# Altium PCB STM32_Analog_Cape.PcbDoc (part 1 of 2)
Units mil, origin at the board's own origin, x right, y up, seen from the top; angles counter-clockwise.
Board outline 3400 x 2150 mil, 2 copper layers (Top Layer, Bottom Layer), stack 61.855 mil thick; 129 components, 97 nets, 610 pads, 307 vias.
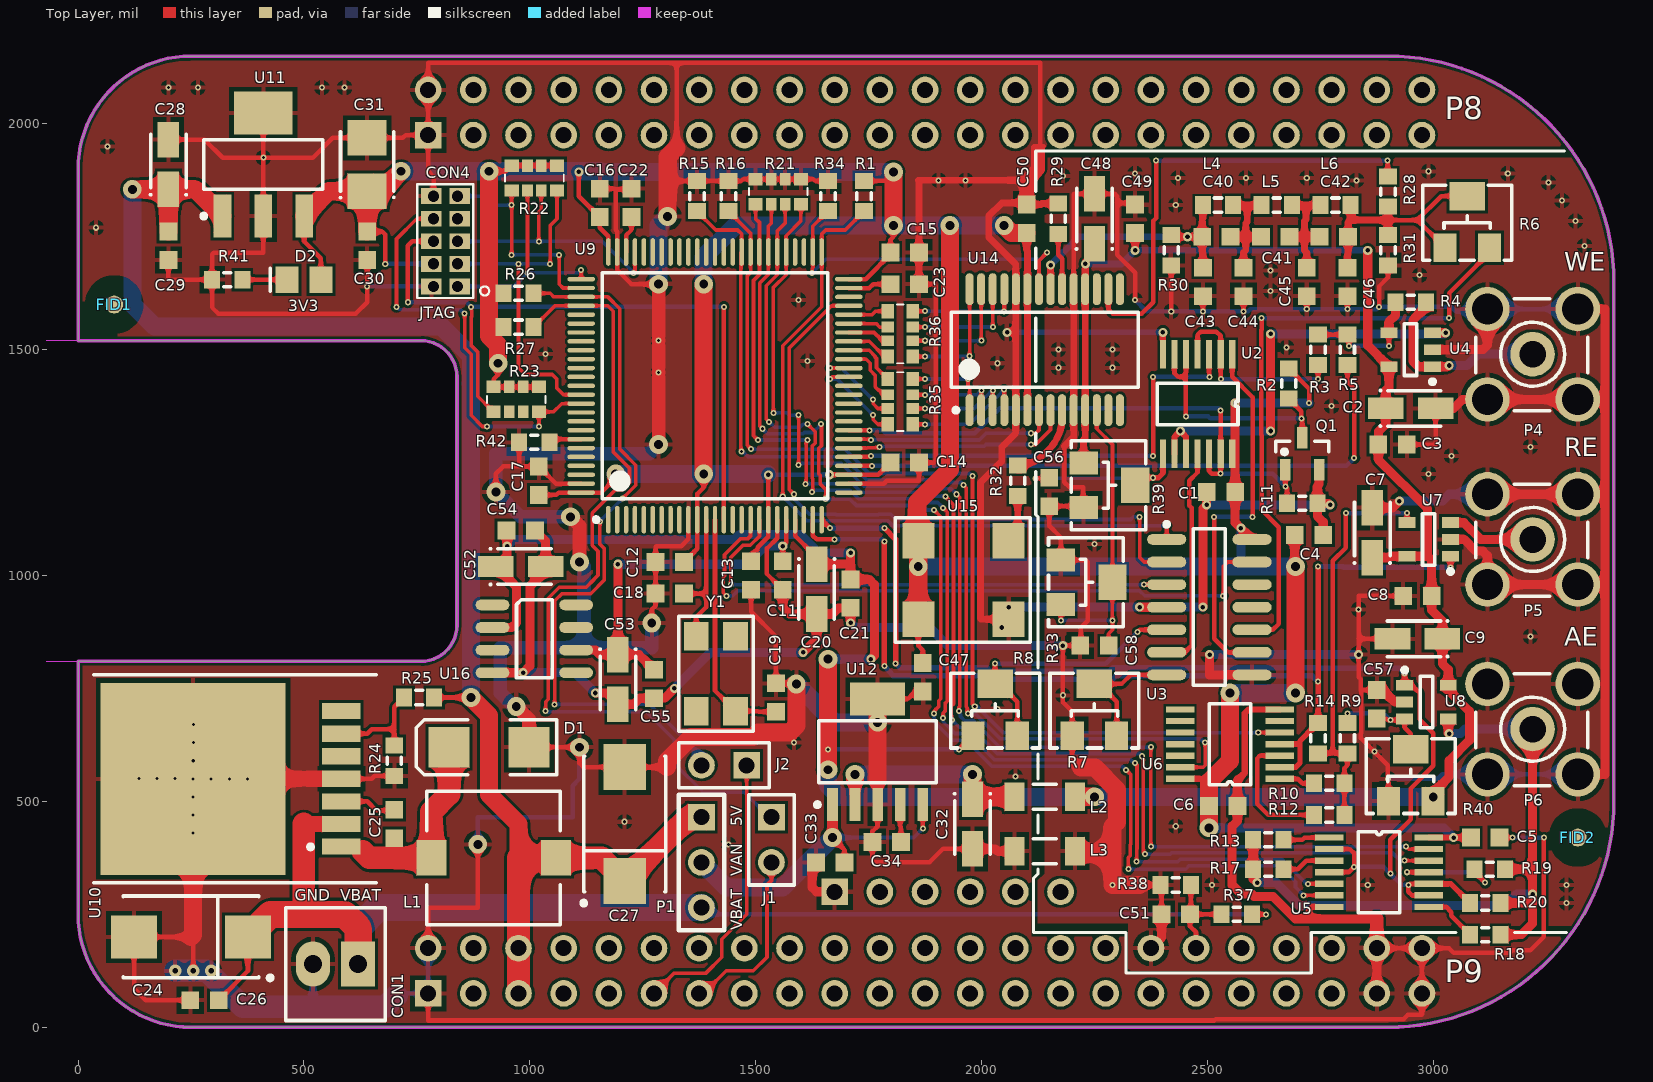
[diagram p0: Top Layer view]
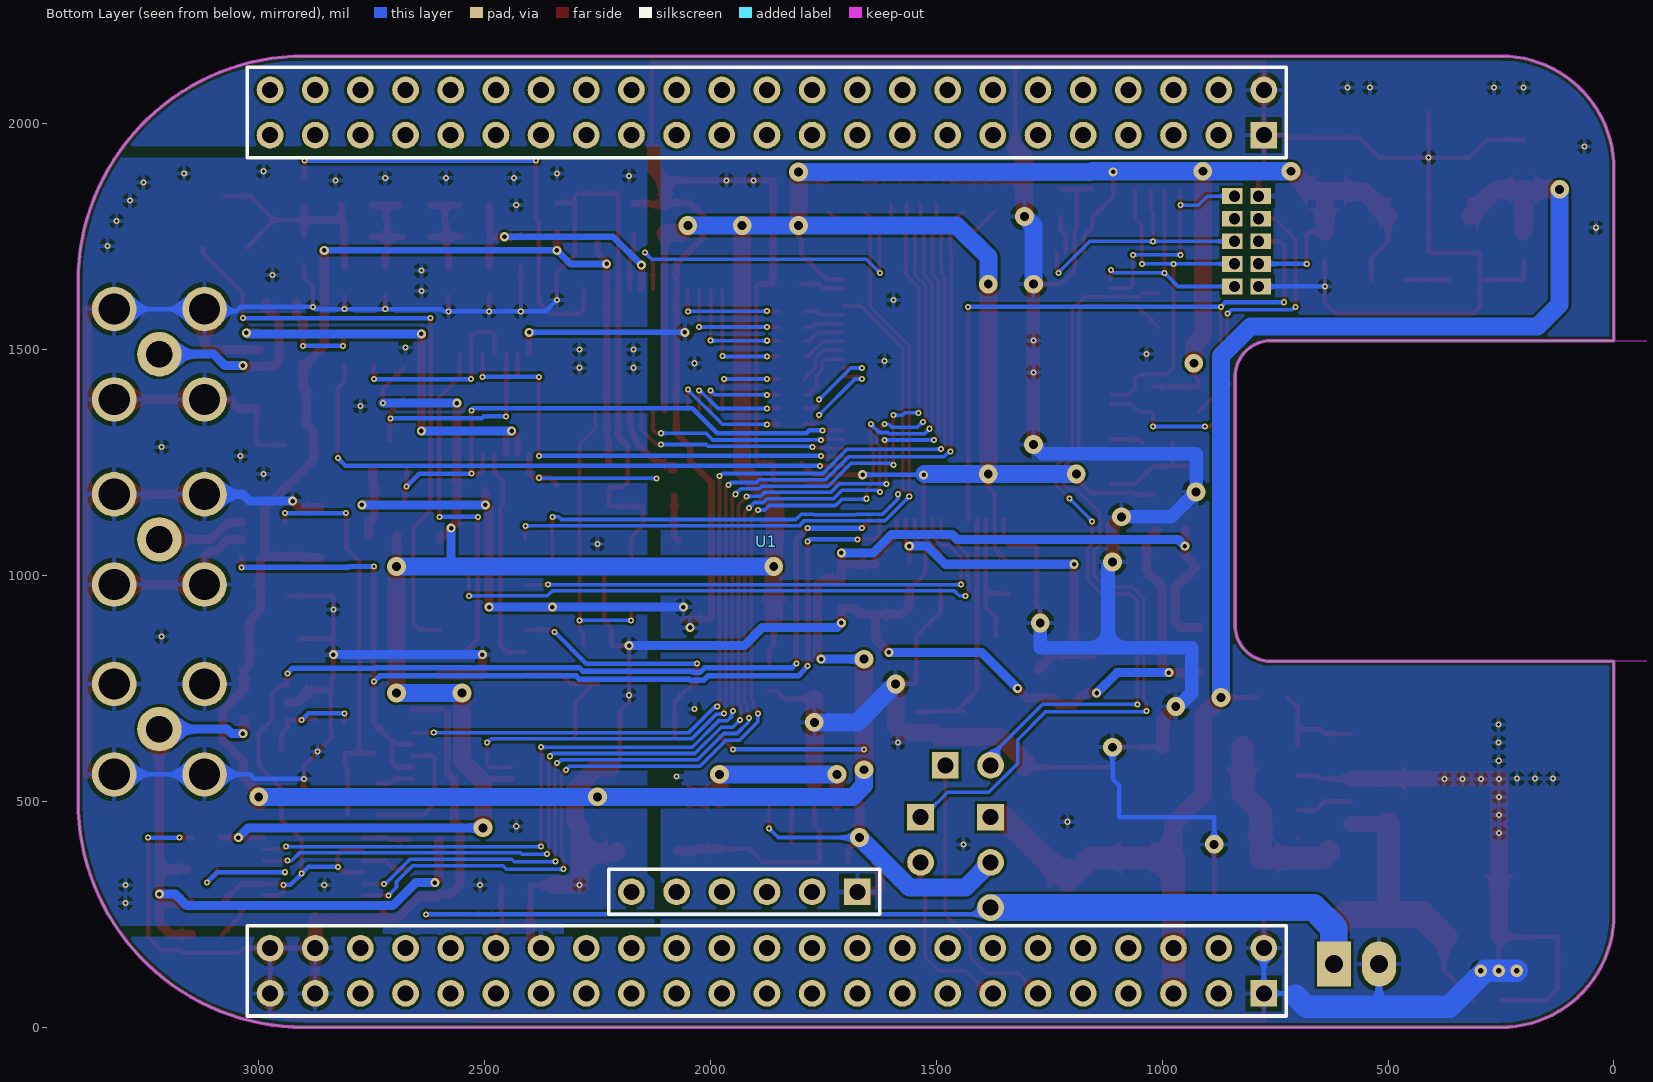
[diagram p1: Bottom Layer view, seen from below]

## Layer stack, top to bottom
Top Solder: solder mask 0.4, Solder Resist, Dk 3.5
Top Layer: signal copper 1.4
Dielectric 1: dielectric 59.0551, FR-4, Dk 4.8
Bottom Layer: signal copper 1.4
Bottom Solder: solder mask 0.4, Solder Resist, Dk 3.5

## Board outline
0,250 0,810 758.74,810 ccw(c758.74,890) 838.74,890 838.74,1440 ccw(c758.74,1440) 758.74,1520 0,1520 0,1900 cw(c250,1900) 250,2150 2900,2150 cw(c2900,1650) 3400,1650 3400,500 cw(c2900,500) 2900,0 250,0 cw(c250,250)

## Design rules (kind name [scope] priority, off if disabled: settings)
Clearance ShieldClearance_BOT [InNamedPolygon('GND_BOT') vs InNet('SHIELD')] p1: gap=30
Clearance ShieldClearance_TOP [InNamedPolygon('GND_TOP') vs InNet('SHIELD')] p2: gap=30
Clearance [All] p3: gap=6
DiffPairsRouting DiffPair_100_2DiffPairsRouting [InDifferentialPairClass('DIFF100_2')] p1: maxlimit=10 minlimit=10 mostfreqgap=10 toplayer_minwidth=8 toplayer_maxwidth=15 toplayer_prefwidth=15 bottomlayer_minwidth=8 bottomlayer_maxwidth=15 bottomlayer_prefwidth=15 maxuncoupledlength=500
DiffPairsRouting DiffPair_100DiffPairsRouting [InDifferentialPairClass('DIFF100')] p2: maxlimit=10 minlimit=10 mostfreqgap=10 toplayer_minwidth=8 toplayer_maxwidth=15 toplayer_prefwidth=15 bottomlayer_minwidth=8 bottomlayer_maxwidth=15 bottomlayer_prefwidth=15 maxuncoupledlength=500
DiffPairsRouting [All] p3: maxlimit=10 minlimit=10 mostfreqgap=10 toplayer_minwidth=15 toplayer_maxwidth=15 toplayer_prefwidth=15 bottomlayer_minwidth=15 bottomlayer_maxwidth=15 bottomlayer_prefwidth=15 maxuncoupledlength=500
Height [All] p1: minheight=0 maxheight=1200 prefheight=500
HoleSize [All] p1: absolutevalues=TRUE maxlimit=200 minlimit=1 maxpercent=80.000 minpercent=20.000
MatchedLengths DiffPair_100_2MatchedLengths [InNetClass('DIFF100_A')] p1: tolerance=1000 checknetsindiffpair=TRUE checkdiffpairvsdiffpair=FALSE checkxsignals=FALSE checkothers=FALSE
MatchedLengths DiffPair_100MatchedLengths [InNetClass('DIFF100_B')] p2: tolerance=5 checknetsindiffpair=TRUE checkdiffpairvsdiffpair=FALSE checkxsignals=FALSE checkothers=FALSE
MinimumSolderMaskSliver [All] p1: minsoldermaskwidth=1
PasteMaskExpansion [InNet('230V_N')] p1: expansion=20
PlaneConnect ShieldConnect [InNet('SHIELD')] p1: planeconnectstyle=Relief reliefexpansion=20 reliefentries=4 reliefconductorwidth=10 reliefairgap=40
PlaneConnect [All] p2: planeconnectstyle=Relief reliefexpansion=20 reliefentries=4 reliefconductorwidth=10 reliefairgap=10
PolygonConnect [All] p1: connectstyle=Relief reliefconductorwidth=10 reliefentries=4 polygonreliefangle="90 Angle" airgapwidth=10
RoutingVias [All] p1: holewidth=5.91 width=11.81 viastyle="Through Hole" minholewidth=5.91 minwidth=11.81 maxholewidth=500 maxwidth=1000
SilkToSilkClearance [All] p1: silktosilkclearance=5
SilkToSolderMaskClearance SilkscreenOverComponentPads [IsPad] p1: minsilkscreentomaskgap=1 clearancetoexposedcopper=TRUE
SolderMaskExpansion [InNet('230V_N')] p1: expansion=5
Width GND [InNet('GND')] p1: maxlimit=100 minlimit=8 preferedwidth=50
Width 3V3 [InNet('3V3')] p2: maxlimit=40 minlimit=8 preferedwidth=30
Width 5V [InNet('5V')] p3: maxlimit=90 minlimit=10 preferedwidth=60
Width 24V [InNet('24V')] p4: maxlimit=80 minlimit=10 preferedwidth=60
Width [All] p5: maxlimit=200 minlimit=8 preferedwidth=12
22 further rules are at their usual default settings.

## Classes and differential pairs
component class Power: C24 C25 C26 C27 C28 C29 C30 C31 C32 C33 C34 CON1 D1 D2 L1 L2 L3 P1 R24 R25 R41 U10 U11 U12
component class Mcu: C11 C12 C13 C14 C15 C16 C17 C18 C19 C20 C21 C22 C23 CON4 R22 R23 R42 U9 Y1
component class Analog: C1 C2 C3 C4 C5 C6 C7 C8 C9 P4 P5 P6 Q1 R1 R2 R3 R4 R5 R6 R7 R8 R9 R10 R11 R12 R13 R14 R15 R16 R17 R18 R19 R20 R21 U2 U3 U4 U5 U6 U7 U8
component class Analog2: C40 C41 C42 C43 C44 C45 C46 C47 C48 C49 C50 C52 C53 C54 C55 C56 C57 C58 L4 L5 L6 R28 R29 R30 R31 R32 R33 R34 R35 R36 R39 R40 U14 U15 U16
component class Beagle: C51 FID1 FID2 J1 J2 R26 R27 R37 R38 U1

## Components (designator, comment, footprint, x,y, rotation, side; value= is the part's Value field where it differs from the comment)
C1 "100nF" CAPC1608N 2530,1185 r0 top
C2 "10uF" SMDA 2950,1370 r0 top
C3 "100nF" CAPC1608N 2910,1290 r180 top
C4 "100nF" CAPC1608N 2725,1090 r180 top
C5 "100nF" CAPC1608N 3115,420 r180 top
C6 "100nF" CAPC1608N 2535,490 r180 top
C7 "10uF" SMDA 2865,1095 r90 top
C8 "100nF" CAPC1608N 2965,955 r0 top
C9 "10uF" SMDA 2965,860 r180 top
C11 "100nF" CAPC1608N 1560,1000 r90 top
C12 "100nF" CAPC1608N 1310,1030 r0 top
C13 "100nF" CAPC1608N 1490,1000 r90 top
C14 "100nF" CAPC1608N 1830,1250 r180 top
C15 "100nF" CAPC1608N 1830,1715 r180 top
C16 "100nF" CAPC1608N 1155,1825 r270 top
C17 "100nF" CAPC1608N 1020,1210 r270 top
C18 "20pF" CAPC1608N 1310,960 r0 top
C19 "20pF" CAPC1608N 1545,730 r270 top
C20 "10uF" SMDA 1635,970 r270 top
C21 "100nF" CAPC1608N 1710,960 r90 top
C22 "2.2uF" CAPC1608N 1225,1825 r270 top
C23 "2.2uF" CAPC1608N 1830,1645 r180 top
C24 "10uF 50V" SMDD 250,200 r180 top
C25 "10nF" CAPC1608N 700,450 r90 top
C26 "100nF" CAPC1608N 280,60 r0 top
C27 "100uF 16V" SMDD 1210,450 r90 top
C28 "10uF 6.3V-SMDA" SMDA 200,1910 r90 top
C29 "100n" CAPC1608N 200,1730 r90 top
C30 "100n" CAPC1608N 640,1730 r90 top
C31 "100uF" SMDB 640,1910 r90 top
C32 "10uF" SMDA 1980,450 r270 top
C33 "100nF" CAPC1608N 1665,365 r0 top
C34 "10nF" CAPC1608N 1790,410 r0 top
C40 "1pF" CAPC1608N 2520,1750 r0 top
C41 "5.6pF" CAPC1608N 2650,1750 r0 top
C42 "4.7pF" CAPC1608N 2780,1750 r0 top
C43 "22pF" CAPC1608N 2490,1650 r90 top
C44 "33pF" CAPC1608N 2580,1650 r90 top
C45 "22pF" CAPC1608N 2720,1650 r90 top
C46 "22pF" CAPC1608N 2810,1650 r90 top
C47 "100nF" CAPC1608N 1870,775 r270 top
C48 "10uF" SMDA 2250,1790 r90 top
C49 "100nF" CAPC1608N 2340,1790 r90 top
C50 "100nF" CAPC1608N 2100,1790 r90 top
C51 "100nF" CAPC1608N 2430,250 r0 top
C52 "10uF" SMDA 980,1020 r0 top
C53 "1uF" SMDA 1195,770 r270 top
C54 "100nF" CAPC1608N 980,1100 r0 top
C55 "100nF" CAPC1608N 1275,760 r270 top
C56 "100nF" CAPC1608N 2150,1185 r270 top
C57 "100nF" CAPC1608N 2875,715 r90 top
C58 "100nF" CAPC1608N 2250,845 r0 top
CON1 "MX-02227-2021" MX-02227-2021 570,140 r180 top
CON4 "Header 5X2" HDR1X10_1.27mmp_MIN 840,1740 r90 top
D1 "SK210" SMB 910,620 r180 top
D2 "LL-S172GC-2A" CD2012-0805 500,1655 r180 top
FID1 "Fiducial" "Fid Round" 80,1600 r0 top
FID2 "Fiducial" "Fid Round" 3320,420 r90 top
J1 "Jumper" JUMPER 1535,465 r270 top
J2 "Jumper" JUMPER 1480,580 r180 top
L1 "DR74-330-R" "DR74 Series" 920,375 r0 top
L2 "Ferrite" inductor_1206 2140,510 r0 top
L3 "Ferrite" inductor_1206 2140,390 r0 top
L4 "Ferrite" inductor_0603 2490,1820 r270 top
L5 "Ferrite" inductor_0603 2620,1820 r270 top
L6 "Ferrite" inductor_0603 2750,1820 r270 top
P1 "Header 3" HEADER_3 1380,465 r270 top
P4 "SMB" SMB_STRAIGHT 3220,1490 r90 top
P5 "SMB" SMB_STRAIGHT 3220,1080 r90 top
P6 "SMB" SMB_STRAIGHT 3220,660 r90 top
Q1 "BSS123" sot23-3l 2710,1270 r90 top
R1 "10k" RESC1608N 1740,1840 r90 top
R2 "10k" RESC1608N 2680,1425 r90 top
R3 "220k" RESC1608N 2745,1500 r270 top
R4 "220k" RESC1608N 2950,1605 r0 top
R5 "220k" RESC1608N 2810,1500 r90 top
R6 "3214W" POT3214W 3075,1840 r270 top
R7 "3214W" POT3214W 2250,760 r270 top
R8 "3214W" POT3214W 2030,760 r270 top
R9 "1k" RESC1608N 2810,640 r270 top
R10 "100R" RESC1608N 2770,540 r180 top
R11 "10k" RESC1608N 2710,1160 r180 top
R12 "22k" RESC1608N 2770,470 r180 top
R13 "100R" RESC1608N 2635,415 r180 top
R14 "1k" RESC1608N 2745,640 r90 top
R15 "10k" RESC1608N 1370,1840 r270 top
R16 "10k" RESC1608N 1440,1840 r270 top
R17 "1k" RESC1608N 2635,350 r0 top
R18 "10k" RESC1608N 3115,205 r0 top
R19 "100k" RESC1608N 3125,350 r0 top
R20 "1M" RESC1608N 3115,275 r0 top
R21 "RES_ARRAY_4" RES_ARRAY_4x0603 1550,1850 r0 top
R22 "RES_ARRAY_4" RES_ARRAY_4x0603 1010,1880 r0 top
R23 "RES_ARRAY_4" RES_ARRAY_4x0603 970,1390 r0 top
R24 "1k" RESC1608N 700,590 r90 top
R25 "3.132k" RESC1608N 755,730 r0 top
R26 "100k" RESC1608N 975,1625 r0 top
R27 "100k" RESC1608N 975,1550 r0 top
R28 "1k" RESC1608N 2900,1850 r270 top
R29 "25R" RESC1608N 2170,1790 r270 top
R30 "220R" RESC1608N 2420,1720 r270 top
R31 "50R" RESC1608N 2900,1720 r270 top
R32 "10R" RESC1608N 2080,1210 r270 top
R33 "3214W" POT3214W 2290,985 r180 top
R34 "10k" RESC1608N 1660,1840 r90 top
R35 "RES_ARRAY_4" RES_ARRAY_4x0603 1820,1385 r270 top
R36 "RES_ARRAY_4" RES_ARRAY_4x0603 1820,1535 r270 top
R37 "120k" RESC1608N 2565,250 r0 top
R38 "20k" RESC1608N 2430,315 r0 top
R39 "3214W" POT3214W 2340,1200 r180 top
R40 "3214W" POT3214W 2950,615 r270 top
R41 "330R" RESC1608N 330,1655 r180 top
R42 "10k" RESC1608N 1010,1295 r0 top
U1 "BBB-Header" "BEAGLEBONE BLACK NO BAT" 0,2150 r0 bottom locked
U2 "TS3A4751" TSSOP14 2555,1490 r270 top
U3 "MCP42010-14" SOIC-14 2410,1080 r0 top
U4 "MCP6V81" sot23-5 2950,1500 r180 top
U5 "TS3A4751" TSSOP14 2770,420 r0 top
U6 "TS3A4751" TSSOP14 2660,550 r180 top
U7 "MCP6V81" sot23-5 2990,1080 r180 top
U8 "MCP6V81" sot23-5 2985,720 r0 top
U9 "STM32F407VET6" LQFP100_L 1410,1420 r90 top locked
U10 "LM2676S-ADJ" TO-263-7 340,550 r90 top
U11 "LM3940IMP-3.3" MP04A_N 410,1910 r90 top
U12 "REG104" DCQ6_L 1770,610 r90 top
U14 "AD9850BRSZ" SSOP28 2140,1500 r90 top
U15 "ASSPXO" EPON_XO 1960,990 r0 top
U16 "REF191" SO-8_L 1010,860 r0 top
Y1 "CFPX-104" CFPX-104 1455,700 r90 top

## Footprints (in the part's own frame and the unit in brackets; to place one, negate y for a bottom-side part, rotate by r counter-clockwise, add the part's x,y. Pads: shape width x height; smd on the part's side, far side on the other; paste and mask are expansions set on the pad)
"BEAGLEBONE BLACK NO BAT" [mm]
  rect 1.5x1.5 hole 0.9: 1(19.685,4.445) 47(19.685,52.705) 93(42.545,46.99)
  round 1.5 hole 0.9: 2(19.685,1.905) 3(22.225,4.445) 4(22.225,1.905) 5(24.765,4.445) 6(24.765,1.905) 7(27.305,4.445) 8(27.305,1.905) 9(29.845,4.445) 10(29.845,1.905) 11(32.385,4.445) 12(32.385,1.905) 13(34.925,4.445) 14(34.925,1.905) 15(37.465,4.445) 16(37.465,1.905) 17(40.005,4.445) 18(40.005,1.905) 19(42.545,4.445) 20(42.545,1.905) 21(45.085,4.445) 22(45.085,1.905) 23(47.625,4.445) 24(47.625,1.905) 25(50.165,4.445) 26(50.165,1.905) 27(52.705,4.445) 28(52.705,1.905) 29(55.245,4.445) 30(55.245,1.905) 31(57.785,4.445) 32(57.785,1.905) 33(60.325,4.445) 34(60.325,1.905) 35(62.865,4.445) 36(62.865,1.905) 37(65.405,4.445) 38(65.405,1.905) 39(67.945,4.445) 40(67.945,1.905) 41(70.485,4.445) 42(70.485,1.905) 43(73.025,4.445) 44(73.025,1.905) 45(75.565,4.445) 46(75.565,1.905) 48(19.685,50.165) 49(22.225,52.705) 50(22.225,50.165) 51(24.765,52.705) 52(24.765,50.165) 53(27.305,52.705) 54(27.305,50.165) 55(29.845,52.705) 56(29.845,50.165) 57(32.385,52.705) 58(32.385,50.165) 59(34.925,52.705) 60(34.925,50.165) 61(37.465,52.705) 62(37.465,50.165) 63(40.005,52.705) 64(40.005,50.165) 65(42.545,52.705) 66(42.545,50.165) 67(45.085,52.705) 68(45.085,50.165) 69(47.625,52.705) 70(47.625,50.165) 71(50.165,52.705) 72(50.165,50.165) 73(52.705,52.705) 74(52.705,50.165) 75(55.245,52.705) 76(55.245,50.165) 77(57.785,52.705) 78(57.785,50.165) 79(60.325,52.705) 80(60.325,50.165) 81(62.865,52.705) 82(62.865,50.165) 83(65.405,52.705) 84(65.405,50.165) 85(67.945,52.705) 86(67.945,50.165) 87(70.485,52.705) 88(70.485,50.165) 89(73.025,52.705) 90(73.025,50.165) 91(75.565,52.705) 92(75.565,50.165) 94(45.085,46.99) 95(47.625,46.99) 96(50.165,46.99) 97(52.705,46.99) 98(55.245,46.99)
  Keep-Out Layer board cut-out: -2.794,16.002 -3.572,16.157 -4.231,16.597 -4.671,17.256 -4.826,18.034 -4.826,18.034 -4.826,32.004 -4.671,32.782 -4.231,33.441 -3.572,33.881 -2.794,34.036 -2.794,34.036 19.272,34.036 20.05,33.881 20.709,33.441 21.149,32.782 21.304,32.004 21.304,32.004 21.304,18.034 21.149,17.256 20.709,16.597 20.05,16.157 19.272,16.002 19.272,16.002
  silkscreen extent 18.41,0.64 76.83,53.97, body extent -2.5,0 87.95,54.66, height 16.58
CAPC1608N [mm] "Chip Capacitor, Body 1.6x0.8mm, IPC Medium Density"
  rect 1x1 smd: 1(-0.8,0) 2(0.8,0)
  body extent -0.8,-0.4 0.8,0.4, height 0.3
CD2012-0805 [mm] "Chip Diode; Body 2.0 x 1.3 mm (LxW typ)"
  rect 1.3x1.5 smd: 1(-0.95,0) 2(0.95,0)
  silkscreen extent 1.9,-0.65 1.9,0.65, body extent -1.01,-0.64 1.01,0.61, height 1.1
CFPX-104 [mm]
  rect 1.6x1.4 smd: 1(0,0) 2(4.2,0) 3(4.2,2.2) 4(0,2.2)
  silkscreen extent -1.14,-1.02 5.33,3.18, body extent -0.4,-0.5 4.6,2.7, height 1.55
DCQ6_L [mm] "SOT223, 6-Leads, Body 6.5x3.5mm, Pitch 1.27mm, IPC High Density"
  rect 1.85x0.6 smd: 1(-2.975,2.54) 2(-2.975,1.27) 3(-2.975,0) 4(-2.975,-1.27) 5(-2.975,-2.54)
  rect 1.85x3.1 smd: 6(2.975,0)
  silkscreen extent -3.1,-3.3 1.75,3.51, body extent -3.63,-3.27 3.63,3.28, height 1.8
"DR74 Series" [mm] "Chip Inductor, 2-Leads, Body 7.6x7.6mm, IPC High Density"
  rect 1.7x2 smd: 1(-3.5,0) 2(3.5,0)
  silkscreen extent -3.75,-3.75 3.75,3.75, body extent -3.27,-3.27 3.22,3.22, height 4.8
EPON_XO [mm]
  rect 1.8x2 smd: 1(-2.54,-2.2) 2(2.54,-2.2) 3(2.54,2.2) 4(-2.54,2.2)
  silkscreen extent -3.84,-3.5 3.76,3.5, body extent -3.69,-2.4 3.61,2.4, height 1
"Fid Round" [mm]
  round 1 smd paste-2.54 mask+1: 0(0,0)
  Top Layer pour cut-out: -1.651,0 -1.525,0.632 -1.167,1.167 -0.632,1.525 0,1.651 0,1.651 0.632,1.525 1.167,1.167 1.525,0.632 1.651,0 1.651,0 1.525,-0.632 1.167,-1.167 0.632,-1.525 0,-1.651 0,-1.651 -0.632,-1.525 -1.167,-1.167 -1.525,-0.632 -1.651,0
HDR1X10_1.27mmp_MIN [mil] "Programming connector target; 10 Position with minimally sized pads, 0.050\" pitch"
  rect 35x45 hole 25 copper offset 0,-5 mask+3.94: 1(-100,0) 3(-50,0) 5(0,0) 7(50,0) 9(100,0)
  rect 35x45 hole 25 copper offset 0,5 mask+3.94: 2(-100,53) 4(-50,53) 6(0,53) 8(50,53) 10(100,53)
  silkscreen extent -126,-35 126,89, body extent -125,-32 125,86, height 185
HEADER_3 [mm]
  rect 1.5x1.5 hole 0.9: 1(0,0)
  round 1.5 hole 0.9: 2(2.54,0) 3(5.08,0)
  silkscreen extent -1.27,-1.27 6.35,1.27, body extent -1.17,-1.25 6.45,1.25, height 8.23
inductor_0603 [mm]
  rect 1x0.9 smd: 1(0,0) 2(0,1.7)
  silkscreen extent -0.4,0.65 0.4,1.05, body extent -0.45,0.1 0.5,1.7, height 0.78
inductor_1206 [mm]
  rect 1.1x1.6 smd: 1(-1.7,0) 2(1.7,0)
  silkscreen extent -0.65,-0.7 0.65,0.7, body extent -1.6,-0.8 1.6,0.8, height 1.1
JUMPER [mm]
  rect 1.5x1.5 hole 0.9: 1(0,0)
  round 1.5 hole 0.9: 2(2.54,0)
  silkscreen extent -1.27,-1.27 3.81,1.27, body extent -0.59,-1.19 2.87,1.25, height 4.5
LQFP100_L [mm] "Thin QFP, 100-Leads, Body 14x14mm, Pitch 0.5mm, IPC High Density"
  oval 1.55x0.25 smd: 1(-7.525,6) 2(-7.525,5.5) 3(-7.525,5) 4(-7.525,4.5) 5(-7.525,4) 6(-7.525,3.5) 7(-7.525,3) 8(-7.525,2.5) 9(-7.525,2) 10(-7.525,1.5) 11(-7.525,1) 12(-7.525,0.5) 13(-7.525,0) 14(-7.525,-0.5) 15(-7.525,-1) 16(-7.525,-1.5) 17(-7.525,-2) 18(-7.525,-2.5) 19(-7.525,-3) 20(-7.525,-3.5) 21(-7.525,-4) 22(-7.525,-4.5) 23(-7.525,-5) 24(-7.525,-5.5) 25(-7.525,-6) 51(7.525,-6) 52(7.525,-5.5) 53(7.525,-5) 54(7.525,-4.5) 55(7.525,-4) 56(7.525,-3.5) 57(7.525,-3) 58(7.525,-2.5) 59(7.525,-2) 60(7.525,-1.5) 61(7.525,-1) 62(7.525,-0.5) 63(7.525,0) 64(7.525,0.5) 65(7.525,1) 66(7.525,1.5) 67(7.525,2) 68(7.525,2.5) 69(7.525,3) 70(7.525,3.5) 71(7.525,4) 72(7.525,4.5) 73(7.525,5) 74(7.525,5.5) 75(7.525,6)
  oval 0.25x1.55 smd: 26(-6,-7.525) 27(-5.5,-7.525) 28(-5,-7.525) 29(-4.5,-7.525) 30(-4,-7.525) 31(-3.5,-7.525) 32(-3,-7.525) 33(-2.5,-7.525) 34(-2,-7.525) 35(-1.5,-7.525) 36(-1,-7.525) 37(-0.5,-7.525) 38(0,-7.525) 39(0.5,-7.525) 40(1,-7.525) 41(1.5,-7.525) 42(2,-7.525) 43(2.5,-7.525) 44(3,-7.525) 45(3.5,-7.525) 46(4,-7.525) 47(4.5,-7.525) 48(5,-7.525) 49(5.5,-7.525) 50(6,-7.525) 76(6,7.525) 77(5.5,7.525) 78(5,7.525) 79(4.5,7.525) 80(4,7.525) 81(3.5,7.525) 82(3,7.525) 83(2.5,7.525) 84(2,7.525) 85(1.5,7.525) 86(1,7.525) 87(0.5,7.525) 88(0,7.525) 89(-0.5,7.525) 90(-1,7.525) 91(-1.5,7.525) 92(-2,7.525) 93(-2.5,7.525) 94(-3,7.525) 95(-3.5,7.525) 96(-4,7.525) 97(-4.5,7.525) 98(-5,7.525) 99(-5.5,7.525) 100(-6,7.525)
  silkscreen extent -7.65,-6.35 6.35,6.8, body extent -8,-8 8,8, height 1.6
MP04A_N [mm] "SOT223, 4-Leads, Body 6.5x3.5mm, Pitch 2.3mm, Lead Span 7mm, IPC Medium Density"
  rect 2.4x1 smd: 1(-2.9,2.3) 2(-2.9,0) 3(-2.9,-2.3)
  rect 2.4x3.3 smd: 4(2.9,0)
  silkscreen extent -3.02,-3.35 1.4,3.47, body extent -3.47,-3.25 3.47,3.25, height 1.64
MX-02227-2021 [mm]
  rect 1.905x2.54 hole 1: 1(-1.27,0)
  oval 1.905x2.54 hole 1: 2(1.27,0)
  silkscreen extent -2.79,-3.18 2.79,3.18, body extent -2.54,-2.92 2.54,2.88, height 11.7
POT3214W [mm]
  rect 1.6x1.3 smd: 1(2.9,1.25) 3(2.9,-1.25)
  rect 1.6x2 smd: 2(0,0)
  silkscreen extent -0.6,-2.5 3.6,2.5, body extent -0.47,-2.4 3.47,2.4, height 5.36
RES_ARRAY_4x0603 [mm]
  rect 0.8x0.7 smd: 1(-1.275,-0.7) 2(-1.275,0.7) 7(1.275,-0.7) 8(1.275,0.7)
  rect 0.6x0.7 smd: 3(-0.385,-0.7) 4(-0.385,0.7) 5(0.385,-0.7) 6(0.385,0.7)
  silkscreen extent -1.65,-0.2 1.65,0.2, body extent -1.6,-0.82 1.6,0.78, height 0.5
RESC1608N [mm] "Chip Resistor, Body 1.6x0.8mm, IPC Medium Density"
  rect 0.9x1 smd: 1(-0.85,0) 2(0.85,0)
  silkscreen extent -0.2,-0.4 0.2,0.4, body extent -0.8,-0.4 0.8,0.4, height 0.3
SMB [mm] "DO-214-AA/SMB; 2 C-Bend Leads; Body 5.3 x 3.6 mm, inc. leads (LxW)"
  rect 2.3x2.3 smd: 1(-2.25,0) 2(2.25,0)
  silkscreen extent -3.8,-1.55 4.1,1.55, body extent -2.67,-1.77 2.63,1.83, height 2.4
SMB_STRAIGHT [mm]
  round 2.5 hole 1.5: 1(0,0)
  round 2.5 hole 1.75: 2(-2.54,-2.54) 2(-2.54,2.54) 2(2.54,-2.54) 2(2.54,2.54)
  silkscreen extent -3.19,-3.11 3.11,3.19, body extent -3.5,-3.7 3.5,3.3, height 7.62
SMDA [mm] "Capacitor, SM Tantalum; Body 3.2 x 1.6 mm (LxW typ)"
  rect 2x1.2 smd: 1(-1.4,0) 2(1.4,0)
  silkscreen extent -1.71,-1.01 1.7,1.01, body extent -2.4,-0.9 2.4,0.9, height 1.8
SMDB [mm] "Capacitor, SM Tantalum; Body 3.5 x 2.8 mm (LxW typ)"
  rect 2x2.2 smd: 1(-1.5,0) 2(1.5,0)
  silkscreen extent -1.86,-1.5 1.85,1.5, body extent -2.5,-1.5 2.5,1.5, height 2.11
SMDD [mm] "Capacitor, SM Tantalum; Body 7.3 x 4.3 mm (LxW typ)"
  rect 2.6x2.4 smd: 1(-3.2,0) 2(3.2,0)
  silkscreen extent -4.58,-2.3 3.8,2.42, body extent -4.5,-2.3 4.5,2.31, height 3.1
SO-8_L [mm] "8-Pin Small Outline Integrated Circuit 1.27 mm Pitch, IPC High Density"
  oval 1.9x0.6 smd: 1(-2.35,1.905) 2(-2.35,0.635) 3(-2.35,-0.635) 4(-2.35,-1.905) 5(2.35,-1.905) 6(2.35,-0.635) 7(2.35,0.635) 8(2.35,1.905)
  silkscreen extent -1,-2.2 1,2.2, body extent -3.17,-2.5 3.17,2.5, height 1.88
SOIC-14 [mm]
  oval 2.2x0.6 smd: 1(0,0) 2(0,-1.27) 3(0,-2.54) 4(0,-3.81) 5(0,-5.08) 6(0,-6.35) 7(0,-7.62) 8(4.8,-7.62) 9(4.8,-6.35) 10(4.8,-5.08) 11(4.8,-3.81) 12(4.8,-2.54) 13(4.8,-1.27) 14(4.8,0)
  silkscreen extent -0.12,-8.21 3.3,0.97, body extent -0.49,-8.09 5.31,0.47, height 1.75
sot23-3l [mm] "SOT23, 3-Leads, Body 2.9x1.3mm, Pitch 0.95mm, Lead Span 2.5mm, IPC High Density"
  rect 1.2x0.6 smd: 1(-0.9,0.95) 2(-0.9,-0.95) 3(0.9,0)
  silkscreen extent -0.02,-1.5 0.7,1.5, body extent -1.26,-1.45 1.21,1.47, height 1
sot23-5 [mm] "SOT23, 5-Leads, Body 2,90x2,80mm, Pitch 0,95mm, IPC Medium Density"
  rect 0.95x0.6 smd: 1(-1.225,0.95) 2(-1.225,0) 3(-1.225,-0.95) 4(1.225,-0.95) 5(1.225,0.95)
  silkscreen extent -1.35,-1.45 0.35,1.92, body extent -1.4,-1.45 1.4,1.45, height 1.45
SSOP28 [mm]
  oval 1.8x0.45 smd: 1(-3.4,4.225) 2(-3.4,3.575) 3(-3.4,2.925) 4(-3.4,2.275) 5(-3.4,1.625) 6(-3.4,0.975) 7(-3.4,0.325) 8(-3.4,-0.325) 9(-3.4,-0.975) 10(-3.4,-1.625) 11(-3.4,-2.275) 12(-3.4,-2.925) 13(-3.4,-3.575) 14(-3.4,-4.225) 15(3.4,-4.225) 16(3.4,-3.575) 17(3.4,-2.925) 18(3.4,-2.275) 19(3.4,-1.625) 20(3.4,-0.975) 21(3.4,-0.325) 22(3.4,0.325) 23(3.4,0.975) 24(3.4,1.625) 25(3.4,2.275) 26(3.4,2.925) 27(3.4,3.575) 28(3.4,4.225)
  silkscreen extent -3.52,-5.25 2.1,5.25, body extent -4.11,-5.2 4.11,5.3, height 1.94
TO-263-7 [mil] "D2-PAK/TO-263-AB; 7 Leads (1 Cropped); Body 15.9 (inc. leads) x 10.4 mm (LxW max)"
  rect 36x85 smd: 1(-150,-242.74) 2(-100,-242.74) 3(-50,-242.74) 4(0,-242.74) 5(50,-242.74) 6(100,-242.74) 7(150,-242.74)
  rect 425x410 smd paste-400: TAB(0,85.26)
  silkscreen extent -230,-320 230,305, body extent -201,-280 199,286, height 179
TSSOP14 [mm]
  rect 1.6x0.35 smd: 1(0,0) 2(0,-0.65) 3(0,-1.3) 4(0,-1.95) 5(0,-2.6) 6(0,-3.25) 7(0,-3.9) 8(5.6,-3.9) 9(5.6,-3.25) 10(5.6,-2.6) 11(5.6,-1.95) 12(5.6,-1.3) 13(5.6,-0.65) 14(5.6,0)
  silkscreen extent 1.63,-4.23 3.97,0.33, body extent -0.45,-4.45 5.95,0.55, height 1.1

## Part data
C1 C3 C4 C5 C6 C8 C11 C12 C13 C14 C15 C16 C17 C18 C19 C21 C22 C23 C25 C26 C33 C34 C40 C41 C42 C43 C44 C45 C46 C47 C49 C50 C51 C54 C55 C56 C57 C58: library part Capacitor, "Capacitor"
C2 C7 C9 C20 C32 C48 C52 C53: library part "100uF 6.3V-SMDB", "Polarized Capacitor (Surface Mount)"
C24 C28 C31: library part "Capacitor Tantalum", "Capacitor Tantalum"
C27: library part "10uF 35V-SMDD", "Polarized Capacitor (Surface Mount)"
C29 C30: library part Cap, "Capacitor"
CON1: "Pith 2.54mm, 2-pin"
CON4: "Header, 5-Pin, Dual row"
D1: library part MBRS340T3, "Schottky Barrier Rectifier,  40V, 3A"
D2: library part "Led Green", "Typical GREEN LED"
FID1 FID2: library part "FID ROUND", "round fiducial"
L2 L3 L4 L5 L6: library part Inductor, "Inductor"
P1: "Header, 3-Pin"
P4 P5 P6: "SMB Straight Connector"
R1 R2 R3 R4 R5 R9 R10 R11 R12 R13 R14 R15 R16 R17 R18 R19 R20 R24 R25 R26 R27 R28 R29 R30 R31 R32 R34 R37 R38 R41 R42: library part Resistor, "Resistor"
R6 R7 R8 R33 R39 R40: library part RPot, "Potentiometer"
R21 R22 R23 R35 R36: library part RES_ARRAY_1206
U1: library part "Beaglebone Black No Bat"
U2 U5 U6: "TS3A4751 analog switch"
U3: library part MCP42XXX-14, "Single/Dual Digital Potentiometer with SPI Interface, 14-Pin SOIC 150mil, Industrial Temperature, Tape and Reel"
U9: "ARM Cortex-M4 32-bit MCU+FPU, 210 DMIPS, 512 kB Flash, 192 kB Internal RAM, 82 I/Os, 100-pin LQFP, -40 to 85 degC, Tray"
U10: "SIMPLE SWITCHER High Efficiency 3A Step-Down Voltage Regulator"
U11: "1A Low Dropout Regulator for 5V to 3.3V Conversion, 4-pin SOT-223"
U12: "Single Output Fast Transient Response LDO, 1 A, Fixed 3.3 V Output, 2.1 to 15 V Input, 6-pin SOT-223 (DCQ), -40 to 85 degC, Green (RoHS & no Sb/Br)"
U14: library part AD9850, "CMOS, 125 MHz Complete DDS Synthesizer, 10-Bit, Parallel, Serial, RS-28, 47 Tube, Pb-Free"
U15: library part CFPS-39
U16: "REF191 2.048V"

## Via types
v1: diameter 13.39, hole 6.69, Top Layer to Bottom Layer, tented both sides, 227 vias
v2: diameter 20, hole 10, Top Layer to Bottom Layer, tented both sides, 41 vias
v3: diameter 41.34, hole 19.68, Top Layer to Bottom Layer, tented both sides, 36 vias
v4: diameter 27.56, hole 11.81, Top Layer to Bottom Layer, tented both sides, 3 vias

## Nets (pads, with @x,y where several pads share a name; then routed paths per layer and width w, separated by ;. In a path a pad name is that pad's centre, name@x,y a point inside that pad or via, vN(x,y) a via of type N, cw(c..) or ccw(c..) an arc to the next point about the centre after c; other vN are vias at no path point)
0V5A: C56.1 R39.2 U2.8 | length 406.7
  Top Layer w8: v1(2120,1215) 2148.5,1215 C56.1@2150,1216.5
  Top Layer w12: R39.2@2340,1200 2356.5,1216.5 v1(2380,1216.5) 2391.5,1216.5 2401.46,1226.46 U2.8@2401.46,1269.53
  Bottom Layer w8: v1(2120,1215) 2378.5,1215 v1(2380,1216.5)
1VA: C57.1 R9.1 R40.2 U8.3 | length 260.1
  Top Layer w10: R9.1@2810,673.46 v1(2810,695) ; C57.1@2875,683.5 2896.5,683.5 2900,680 2934.17,680 U8.3@2936.77,682.6 2936.77,663.23 2950,650 R40.2@2950,615
  Bottom Layer w10: v1(2810,695) 2890,695 v1(2905,680)
2V054: C11.2 C53.1 C55.1 U9.21 U16.6 | length 867.3
  Top Layer w10: C11.2@1560,1031.5 v2(1560,1065) 1567.48,1072.48 U9.21@1567.48,1123.74
  Top Layer w20: U16.6@1102.52,835 1145,835 1154.88,825.12 C53.1@1195,825.12 ; v2(1195,1025) C53.1@1195,825.12 ; C55.1@1275,791.5 1241.38,825.12 C53.1@1195,825.12
  Bottom Layer w20: v2(1195,1025) 1480,1025 1520,1065 v2(1560,1065)
3V3: C1.2 C4.2 C5.2 C6.2 C12.2 C13.2 C14.2 C15.2 C16.2 C17.2 C30.2 C31.1 C47.1 C50.1 CON4.4 D2.1 R1.2 R2.2 R22.2 R22.4 R22.6 R22.8 R23.2 R23.4 R23.6 R23.8 R26.1 R27.1 U2.14 U3.14 U5.14 U6.14 U9.11 U9.19 U9.28 U9.50 U9.75 U9.100 U11.3 U14.6 U14.23 U15.1 U15.4 | length 9973
  Top Layer w10: U11.3@500.55,1795.83 500.55,1739.45 537.4,1702.6 D2.1@537.4,1655 ; C30.2@640,1761.5 673.5,1761.5 680,1755 v1(680,1690) ; v3(910,1895) 947.24,1895 R22.2@959.8,1907.56 R22.4@994.84,1907.56 R22.6@1025.16,1907.56 R22.8@1060.2,1907.56 ; v3(930,1470) 930,1445 919.8,1434.8 R23.2@919.8,1417.56 R23.4@954.84,1417.56 R23.6@985.16,1417.56 R23.8@1020.2,1417.56 ; C17.2@1020,1178.5 1058.5,1178.5 1063.78,1183.78 U9.100@1113.74,1183.78 1158.78,1183.78 1190,1215 v3(1190,1225) ; v2(1108.5,1893.5) 1108.5,1840 C16.2@1155,1793.5 1155,1770 1173.78,1751.22 U9.75@1173.78,1716.26 ; C12.2@1341.5,1030 1370.63,1059.13 U9.11@1370.63,1123.74 1370.63,1180.63 1385,1195 v3(1385,1225) ; C13.2@1490,1031.5 1490,1045 1505,1060 1505,1062.63 1528.11,1085.74 U9.19@1528.11,1123.74 v2(1528.11,1223.11) ; v2(1663.15,1223.15) U9.28@1706.26,1223.15 1771.65,1223.15 C14.2@1798.5,1250 ; U9.50@1706.26,1656.22 1743.78,1656.22 1798.5,1710.94 C15.2@1798.5,1715 1798.5,1743.5 1805,1750 v3(1805,1775) ; R1.2@1740,1873.46 1784.96,1873.46 ; U15.1@1860,903.39 1860,845 1870,835 C47.1@1870,806.5 ; R2.2@2680,1458.46 2725,1413.46 v1(2725,1381.5)
  Top Layer w13: U6.14@2439.53,550 2497.01,550 2503.5,543.5
  Top Layer w14: U5.14@2990.47,420 C5.2@3083.5,420
  Top Layer w15: C50.1@2100,1758.5 2100,1720 2101.61,1718.39 U14.23@2101.61,1633.86 U14.6@2101.61,1366.14
  Top Layer w20: v2(2561.5,1381.5) C1.2@2561.5,1185 2561.5,1117.48 v2(2573.98,1105) U3.14@2598.98,1080 ; C4.2@2693.5,1090 2693.5,1021.5 v3(2695,1020)
  Top Layer w40: U11.3@500.55,1795.83 555.67,1850.94 C31.1@640,1850.94 ; C30.2@640,1761.5 C31.1@640,1850.94 ; v3(715,1895) 670.94,1850.94 C31.1@640,1850.94 ; v3(910,1895) 910,1530 930,1510 v3(930,1470) ; v3(1385,1225) v3(1385,1645) ; v3(1805,1775) v3(1805,1893.5) ; U15.1@1860,903.39 v3(1860,1020) U15.4@1860,1076.61 1857.31,1076.61 1857.31,1161.97 1930,1234.66 v3@1930,1765 ; v3(2050,1775) 2066.5,1758.5 C50.1@2100,1758.5 ; v3(2503.5,441.5) C6.2@2503.5,490 2503.5,543.5 2550,590 v3(2550,740) ; v3(2695,740) v3(2695,1020)
  Bottom Layer w10: v1(680,1690) CON4.4@787,1690 ; v2(1528.11,1223.11) v2(1663.15,1223.15)
  Bottom Layer w20: v3(2503.5,441.5) 3023.5,441.5 v2(3045,420) ; v2(2561.5,1381.5) v1(2725,1381.5) ; v2(2573.98,1105) 2573.98,1021.02 2575,1020 ; 2598.98,1021.02 2600,1020
  Bottom Layer w40: v3(715,1895) v3(910,1895) 1155,1895 ; 1158.5,1893.5 v3(1805,1893.5) v3@1806.5,1893.5 ; v3(1190,1225) v3(1385,1225) v2@1526.26,1225 ; v3(1385,1645) 1385,1705 1455,1775 v3(1805,1775) v3(2050,1775) ; v3(1860,1020) 2575,1020 2600,1020 v3(2695,1020) ; v3(2550,740) v3(2695,740)
  other v3: 1930,1775
3V3A: C2.1 C3.2 C7.1 C8.2 C9.1 C20.1 C21.2 C48.1 C49.1 C52.1 C54.1 L2.2 R8.3 R39.3 R40.1 U4.5 U7.5 U8.5 U9.22 U14.11 U14.18 U16.2 | length 6321.4
  Top Layer w10: U9.22@1587.17,1123.74 1587.17,1087.83 1635,1040 C20.1@1635,1025.12 ; v1(1950,615) R8.3@1980.79,645.83
  Top Layer w15: R39.3@2225.83,1249.21 2225.83,1300.83 2229.57,1304.57 U14.11@2229.57,1366.14 U14.18@2229.57,1633.86 2229.57,1694.57 2250,1715 C48.1@2250,1734.88 ; v2(2340,1720) C49.1@2340,1758.5
  Top Layer w20: U16.2@917.48,885 960,885 970.88,895.88 970.88,974 C52.1@924.88,1020 950,1045.12 v2(950,1065) 950,1098.5 C54.1@948.5,1100 ; C20.1@1635,1025.12 1709.88,1025.12 1710,1025 ; v2(1710,1050) 1710,1025 ; v2(1755,815) 1763,823 1763,980 1751.5,991.5 C21.2@1710,991.5 1710,1025 ; v2(2855,1720) 2855,1509.37 U4.5@2901.77,1462.6 2901.77,1416.77 2894.88,1409.88 C2.1@2894.88,1370 2894.88,1334.88 2878.5,1318.5 C3.2@2878.5,1290 2878.5,1256.5 2987.4,1147.6 2987.4,1042.6 ; C7.1@2865,1039.88 2899.88,1039.88 2902.6,1042.6 U7.5@2941.77,1042.6 2987.4,1042.6 ; R40.1@2999.21,500.83 2999.21,519.21 3035,555 3035,590 3080,635 3080,700 3033.23,746.77 U8.5@3033.23,757.4 3033.23,791.77 3020,805 3020,859.88 C9.1@3020.12,860 3020.12,899.88 2996.5,923.5 C8.2@2996.5,955 2996.5,1033.5 2987.4,1042.6
  Top Layer w40: v3(1660,570) v1(1660,615) v3(1660,815) ; L2.2@2206.93,510 v3(2250,510) ; R40.1@2999.21,500.83 R40.1@3000,501.61
  Bottom Layer w10: v1(1660,615) v1(1950,615)
  Bottom Layer w15: v2(2230,1690) 2310,1690 v2(2340,1720) v2(2855,1720)
  Bottom Layer w20: v2(950,1065) 965,1080 1454,1080 1465,1091 1599,1091 1640,1050 v2(1710,1050) ; v3(1660,815) v2(1755,815)
  Bottom Layer w40: v3(1660,570) 1660,535 1685,510 v3(2250,510) v3(3000,510)
5V: C27.1 C28.1 C29.2 L1.2 P1.1 R25.2 U1.51 U1.52 U11.1 | length 3390.4
  Top Layer w10: R25.2@788.46,730 v3(870,730)
  Top Layer w40: v3(120.12,1854.88) C28.1@200,1854.88 ; C29.2@200,1761.5 C28.1@200,1854.88 ; U11.1@319.45,1795.83 260.39,1854.88 C28.1@200,1854.88 ; v3(870,730) 910,690 910,515 975,450 975,375
  Top Layer w50: U1.51@975,75 U1.52@975,175 975,375 L1.2@1057.8,375 1159.02,375 C27.1@1210,324.02 1350.98,465 P1.1@1380,465
  Bottom Layer w40: v3(120.12,1854.88) 120.12,1599.88 169.05,1550.95 804.7,1550.95 869.69,1485.96 869.69,1425.95 868.74,1425 869.69,1424.05 869.69,730.31 v3(870,730)
#CS: R1.1 U3.1 U9.51 | length 1640.2
  Top Layer w8: v1(1560,1175) 1560,1508.91 1646.22,1595.13 U9.51@1646.22,1716.26 1646.22,1756.22 1655,1765 1698.46,1765 R1.1@1740,1806.54 ; U3.1@2410,1080 v1(2410,1110)
  Bottom Layer w8: v1(1560,1175) 1613.31,1121.69 1671.91,1121.69 1672.61,1121 1777.39,1121 1778.09,1121.69 1791.91,1121.69 1801.69,1111.91 1801.69,1110 v1(2410,1110)
#RST: CON4.6 R23.1 U9.14 | length 1616.3
  Top Layer w8: v1(870,1595) 870,1588.61 871.69,1586.91 871.69,1573.09 870,1571.39 870,1510 885,1495 885,1397.24 R23.1@919.8,1362.44
  Top Layer w10: v1(730,1605) 730,1730 740,1740 CON4.6@787,1740 ; U9.14@1429.69,1123.74 1429.69,1594.68 v1(1430,1595)
  Bottom Layer w10: v1(730,1605) 860,1605 v1(870,1595) v1(1430,1595)
#TRST: CON4.8 R23.7 U9.90 | length 931.6
  Top Layer w8: v1(705,1595) 705,1745 750,1790 CON4.8@787,1790 ; v1@856,1580 856,1504.2 870.1,1490.1 870.1,1354.9 895,1330 v1(905,1330) ; v1(1020,1330) 1020.2,1330.2 R23.7@1020.2,1362.44 1052.44,1362.44 1070.63,1380.63 U9.90@1113.74,1380.63
  Bottom Layer w8: v1(705,1595) 711.69,1588.31 846.69,1588.31 v1(855,1580) ; v1(905,1330) v1(1020,1330)
AE: P6.1 R13.2 R17.1 R18.2 R19.2 R20.2 U8.4 | length 1609.6
  Top Layer w20: R13.2@2601.54,415 R17.1@2601.54,350 2601.54,328.46 v2(2610,320) ; U8.4@3033.23,682.6 3033.23,651.77 v2(3035,650) ; R18.2@3148.46,205 3195,205 3220,230 3220,280 ; R20.2@3148.46,275 3215,275 3220,280 ; R19.2@3158.46,350 3220,350 ; P6.1@3220,660 3220,350 ; 3220,280 v2(3220,295) 3220,350
  Bottom Layer w20: v2(2610,320) 2652.91,320 2703.55,269.35 3159.35,269.35 3185,295 v2(3220,295) ; v2(3035,650) 3060,650 3070,660 P6.1@3220,660
AE_SW_1K: R21.5 U5.5 U9.56 | length 2679.7
  Top Layer w8: v1(1530,1340) 1523.31,1346.69 1523.31,1641.65 1547.8,1666.14 U9.56@1547.8,1716.26 1547.8,1762.8 1565.16,1780.16 R21.5@1565.16,1822.44 ; v1(1615,1335) 1631.69,1318.31 1631.69,1293.09 1625.69,1287.09 1625.69,1215 1626.69,1214 1626.69,1186.69 v1(1625,1185) ; v1(1915,685) 1915,695.69 1919.31,700 1919.31,716.9 1924,721.6 1924,1141 v1(1915,1150) ; v1(2340,585) 2344.31,580.69 2344.31,395 2343.39,394.08 v1(2343.39,366.61) ; v1(2722.36,317.64) U5.5@2770,317.64
  Bottom Layer w8: v1(1530,1340) 1542,1328 1598,1328 1605,1335 v1(1615,1335) ; v1(1625,1185) 1629.15,1189.15 1708.72,1189.15 1727.87,1170 1874.78,1170 1883.09,1161.69 1903.31,1161.69 v1(1915,1150) ; v1(1915,685) 1915,676.39 1941.09,650.31 1970.5,650.31 2028.8,592 2330,592 2337,585 v1(2340,585) ; v1(2343.39,366.61) 2434.61,366.61 2440,372 2665,372 2719.36,317.64 v1(2722.36,317.64)
AE_SW_10K: R21.3 U5.6 U9.57 | length 2737.1
  Top Layer w8: v1(1515,1325) 1509.31,1330.69 1509.31,1647.45 1528.11,1666.26 U9.57@1528.11,1716.26 1528.11,1773.11 1534.84,1779.84 R21.3@1534.84,1822.44 ; v1(1645,1335) 1645.69,1334.31 1645.69,1287.29 1640,1281.59 1640,1225 1643.15,1221.85 1643.15,1202.54 1655,1190.69 v1(1655,1170) ; v1(1895,695) 1895,699.69 1905.31,710 1905.31,722.7 1910,727.4 1910,1130 v1(1895,1145) ; v1(2320,570) 2330.31,559.69 2330.31,405 2329.39,404.08 2329.39,380 2325.08,375.69 v1(2325.08,349.92) ; v1(2712.95,292.05) U5.6@2770,292.05
  Bottom Layer w8: v1(1515,1325) 1526,1314 1605.39,1314 1608.09,1316.69 1626.69,1316.69 v1(1645,1335) ; v1(1655,1170) 1655.97,1169.03 1709.03,1169.03 1723.08,1154.99 1869.99,1154.99 1879.98,1145 v1(1895,1145) ; v1(1895,695) 1895,676.59 1936.59,635 1966.01,635 2023.01,578 2312,578 v1(2320,570) ; v1(2325.08,349.92) 2451.92,349.92 2460,358 2659.2,358 2695,322.2 2695,310 v1(2712.95,292.05)
AE_SW_100: R21.7 U5.13 U9.55 | length 2820.7
  Top Layer w8: v1(1540,1360) 1539.06,1360.94 1539.06,1637.6 1567.48,1666.03 U9.55@1567.48,1716.26 1567.48,1752.48 1600.2,1785.2 R21.7@1600.2,1822.44 ; v1(1595,1245) v1(1595,1355) ; v1(1945,1180) 1952,1173 1952,710 1950,708 v1(1950,700) ; v1(2375,400) v1(2375,620) ; v1(2940,400) 2945.59,394.41 U5.13@2990.47,394.41
  Bottom Layer w8: v1(1540,1360) 1570,1360 1575,1355 v1(1595,1355) ; v1(1595,1245) 1598.6,1248.6 1688.86,1248.6 1739.46,1198 1886.38,1198 1892.38,1192 1933,1192 v1(1945,1180) ; v1(1950,700) 1953.31,696.69 1953.31,688.09 1963.09,678.31 1976.91,678.31 1977.91,679.31 1981.1,679.31 2040.4,620 v1(2375,620) ; v1(2375,400) v1(2940,400)
AE_SW_100K: R21.1 U5.12 U9.58 | length 2881.3
  Top Layer w8: R21.1@1499.8,1822.44 1499.8,1790.2 1508.43,1781.57 U9.58@1508.43,1716.26 1508.43,1666.37 1495.31,1653.25 1495.31,1309.69 v1(1505,1300) ; v1(1610,1203.15) 1611.69,1204.84 1611.69,1296.69 v1(1615,1300) ; v1(1920,1175) 1938,1157 1938,715.8 1933.31,711.11 1933.31,681.69 v1(1935,680) ; v1(2355,600) 2358.31,596.69 2358.31,386.69 v1(2361.69,383.31) ; v1(2936.18,368.82) U5.12@2990.47,368.82
  Bottom Layer w8: v1(1505,1300) v1(1615,1300) ; v1(1610,1203.15) 1714.52,1203.15 1733.67,1184 1880.58,1184 1888.88,1175.69 1919.31,1175.69 v1(1920,1175) ; v1(1935,680) 1950.69,664.31 1976.3,664.31 2034.6,606 2350,606 2350,605 v1(2355,600) ; v1(2361.69,383.31) 2417.31,383.31 2420,386 2910,386 2927.18,368.82 v1(2936.18,368.82)
AIN5: C51.2 R37.1 R38.2 U1.82 | length 216.4
  Top Layer w10: R38.2@2463.46,315 2463.46,251.97 C51.2@2461.5,250 ; U1.82@2475,175 2475,210 2461.5,223.5 C51.2@2461.5,250 ; R37.1@2531.54,250 C51.2@2461.5,250
BOOT0: R42.2 U9.94 | length 73.1
  Top Layer w10: R42.2@1043.46,1295 1050.35,1301.89 U9.94@1113.74,1301.89
BOOT1: U9.37
CV: U2.3 U9.30 | length 1024.6
  Top Layer w10: U9.30@1706.26,1262.52 1747.52,1262.52 v1(1755,1265) ; v1(2380,1265) v1(2380,1440) ; U2.3@2503.82,1490 2503.82,1441.18 v1(2505,1440)
  Bottom Layer w10: v1(1755,1265) v1(2380,1265) ; v1(2380,1440) v1(2505,1440)